# Allegro board RK_EVB1_RK3576_LP4XD200P132SD6_V12_20240530YWQ.brd (continued)
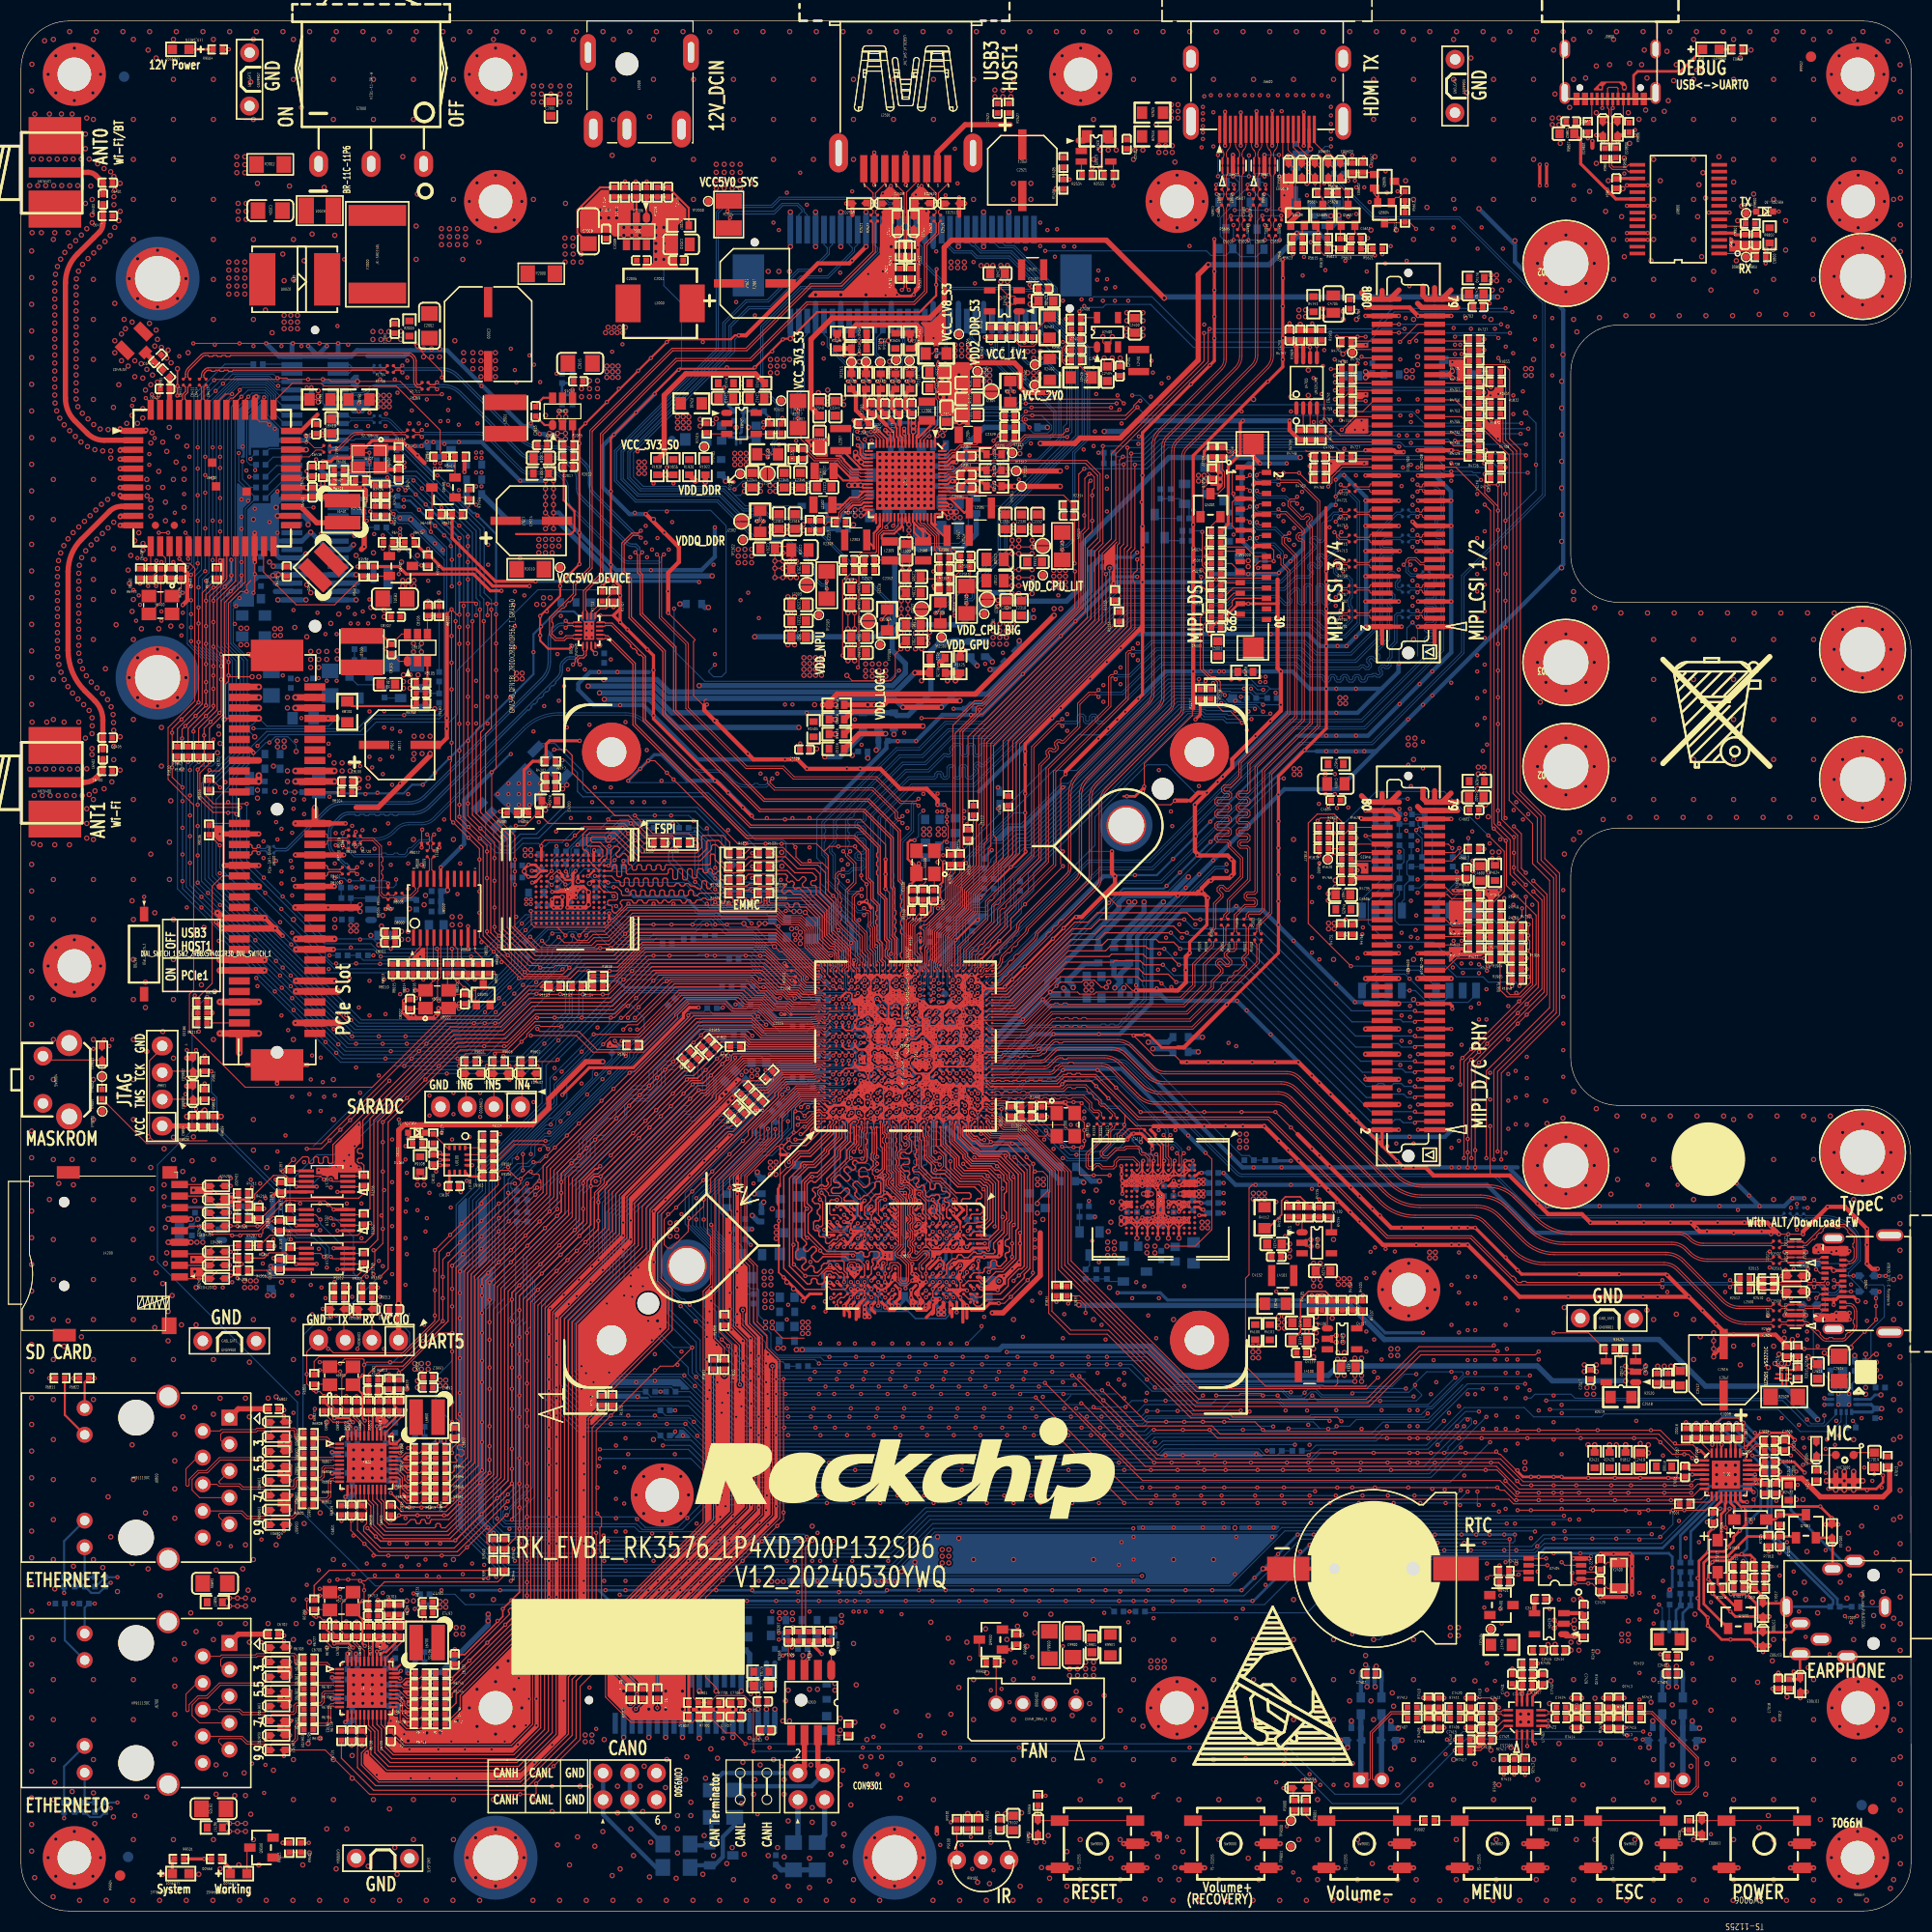
[diagram p0: board, top side]
## Routing (per net, layer and track width the routed paths; a pad name or vN(x,y) marks a point on that pad's centre or on a via; arc(x,y) is an arc through that point) (continued)
N31344597: length 3.4
  BOTTOM w0.254: R7401.2 129.33,29.14 C7403.1 128.92,28.63 U7400.3
N31344662: length 3.5
  BOTTOM w0.254: R7402.2 130.32,29.13 C7403.2 129.57,28.38 U7400.4
N31344668: length 1.9
  BOTTOM w0.406: U7400.5 FB7401.1
N31367008: length 3.4
  BOTTOM w0.254: U7401.3 157.62,28.63 C7410.1 158.03,29.14 R7403.2
N31367020: length 3.5
  BOTTOM w0.254: U7401.4 158.27,28.38 C7410.2 159.02,29.13 R7404.2
N31367085: length 2
  BOTTOM w0.406: U7401.8 156.32,20.36 FB7402.1
N31367111: length 2.1
  BOTTOM w0.102: C7408.2 156.97,29.14 U7401.2
N31367151: length 1.9
  BOTTOM w0.406: FB7403.1 U7401.5
N31432371: length 1.2
  TOP w0.406: R6407.2 34.77,139.36
N31479995: length 4.2
  TOP w0.102: R7407.1 133.36,18.78 133.65,18.78 R7408.1 134.48,18.78 134.62,18.78 C7416.1 135.45,18.78 135.69,18.78 R7406.2
N31480252: length 4.2
  TOP w0.102: R7412.1 133.36,18.98 133.65,18.98 R7410.2 134.48,18.98 134.62,18.98 C7420.2 135.45,18.98 135.69,18.98 R7411.2
N31480374: length 2.5
  TOP w0.102: U7402.2 142.95,14.73 R7413.2
N31480386: length 4.2
  TOP w0.102: R7414.2 150.55,18.77 150.79,18.77 C7426.1 151.62,18.77 151.77,18.77 R7416.1 152.6,18.77 152.89,18.77 R7415.1
N31480494: length 4.6
  TOP w0.102: R7417.2 139.01,15.29 C7427.1 141.35,17.63 U7402.16
N31480503: length 4.4
  TOP w0.102: R7418.2 138.51,16.84 139.52,16.84 C7428.1 140.37,17.34 141.16,18.13 U7402.15
N31480515: length 2.1
  TOP w0.229: C7432.1 144.95,21.41 143.95,20.41 U7402.9
N31480569: length 1.9
  TOP w0.229: U7402.12 142.45,21.21 C7431.1
N31480684: length 4.2
  TOP w0.102: R7421.1 152.89,18.98 152.6,18.98 R7419.2 151.77,18.98 151.62,18.98 C7430.2 150.79,18.98 150.55,18.98 R7420.2
N31701621: length 5.4
  TOP w0.102: CON4600.68 127.63,100.8 127.48,100.66 124.95,100.66 TP4600.1
N31701650: length 3
  TOP w0.102: TP4700.1 127.09,148.72 CON4700.68
N32472831: length 4.4
  BOTTOM w0.508: CON9301.3 76.54,7.23 R9307.1
N32472833: length 4.1
  BOTTOM w0.508: R9307.2 R9309.2 72.39,3.92 C9305.1
N32472886: length 4.3
  BOTTOM w0.508: R9309.1 74,6.94 CON9301.1
N33117735: length 4.1
  TOP w0.102: R9110.2 38.19,73.96 38.34,74.12 D9100.2 39.16,74.12 R9109.2 40.59,72.69 U9100.4
N33161409: length 3.8
  TOP w0.406: C4710.1 121.47,148.98 U4700.8 ; R4767.2 122.12,149.35 U4700.7
N33161501: length 2.2
  TOP w0.102: U4700.2 122.12,141.3 R4768.2
N33161928: length 6.6
  TOP w0.102: R5022.2 112.94,137.97 112.94,137.03 113.45,136.52 R5026.1 113.45,136.34 112.56,135.45 112.56,133.02 Q5001.1
N33164794: length 3.2
  TOP w0.102: R6411.2 42.71,133.79 R6416.1 42.58,134.62 Q6400.1
N33165565: length 2.6
  TOP w0.102: Q6401.1 35.07,130.01 R6417.1 R6412.2
N33187423: length 2.3
  TOP w0.254: LED9502.1 R9504.2
N34130663: length 2.5
  TOP w0.102: Q9900.3 91.27,24.31 R9900.1
N35260673: length 2.6
  TOP w0.102: R4116.1 R4115.2 122.01,65.8 U4102.1
N68738598: length 1.6
  TOP w0.102: R9310.1 78.75,16.75 U9300.8
N68738630: length 3.8
  TOP w0.102: R9306.2 C9308.1 77.17,25.52 U9300.1

## Copper pours and planes (outline as drawn; the poured copper is in the pictures)
GND on TOP (solid shape): 34.82,40.81 30.97,40.81 30.97,40.91 31.03,40.97 31.03,44.58 34.82,44.58
GND on TOP (solid shape): 34.82,19.34 30.97,19.34 30.97,19.45 31.03,19.5 31.03,23.12 34.82,23.12
GND on TOP (solid shape): 139.45,15.98 138.94,15.47 138.47,15.47 138.47,16.55 138.58,16.66 139.45,16.66
GND on TOP (solid shape): 137.46,145.69 136.77,145.69 136.77,146.84 136.52,147.09 135.99,147.09 135.99,147.74 137.46,147.74
GND on TOP (solid shape): 25.62,44.95 25.82,44.76 25.82,43.63 24.74,43.63 24.74,44.1 24.42,44.1 24.42,44.86 24.74,44.86 24.74,45.35 25.62,45.35
GND on TOP (solid shape): 25.62,23.49 25.82,23.29 25.82,22.17 24.74,22.17 24.74,22.64 24.42,22.64 24.42,23.4 24.74,23.4 24.74,23.89 25.62,23.89
GND on TOP (solid shape): 25.82,41.5 25.55,41.23 25.55,40.84 24.74,40.84 24.74,41.31 24.42,41.31 24.42,42.07 24.74,42.07 24.74,42.55 25.82,42.55
GND on TOP (solid shape): 25.82,20.03 25.55,19.77 25.55,19.37 24.74,19.37 24.74,19.85 24.42,19.85 24.42,20.61 24.74,20.61 24.74,21.09 25.82,21.09
GND on TOP (solid shape): 25.95,39.54 25.68,39.27 25.68,38.06 25.66,38.04 24.74,38.04 24.74,38.51 24.42,38.51 24.42,39.28 24.74,39.28 24.74,39.76 25.95,39.76
GND on TOP (solid shape): 25.95,18.07 25.68,17.8 25.68,16.6 25.66,16.58 24.74,16.58 24.74,17.05 24.42,17.05 24.42,17.81 24.74,17.81 24.74,18.3 25.95,18.3
GND on TOP (solid shape): 19.37,126.84 19.3,126.77 19.19,126.75 19.13,126.85 19.13,128.31 18.79,128.31 18.79,128.82 19.37,128.82
GND on TOP (solid shape): 135.99,96.17 136.05,96.26 136.16,96.24 136.17,96.23 137.26,96.23 137.46,96.04 137.46,93.96 136.4,93.96 135.99,94.37
GND on TOP (solid shape): 17.54,68.53 18.19,68.53 18.24,68.48 18.26,68.37 18.17,68.31 17.54,68.31 17.54,68.27 16.11,68.27 16.11,69 17.54,69
GND on TOP (solid shape): 17.54,62.26 18.22,62.26 18.32,62.2 18.29,62.08 18.24,62.03 17.54,62.03 17.54,61.67 16.11,61.67 16.11,62.4 17.54,62.4
GND on TOP (solid shape): 17.54,60.99 18.22,60.99 18.32,60.93 18.29,60.81 18.24,60.76 17.54,60.76 17.54,60.4 16.11,60.4 16.11,61.3 17.54,61.3
GND on TOP (solid shape): 19.22,101.9 19.18,101.82 19.08,101.81 18.98,101.84 18.87,101.83 18.84,101.83 18.4,102.28 18.4,103.4 19.22,103.4
GND on TOP (solid shape): 125.31,138 127.16,138 127.16,138.14 128.32,138.14 128.32,137.69 125.76,137.69 124.8,136.72 124.68,136.7 124.62,136.79 124.62,138.3 125.31,138.3
GND on TOP (solid shape): 128.32,140.71 126.16,140.71 126.07,140.77 126.08,140.87 126.13,141 126.13,141.13 126.13,141.16 127.1,142.14 128.32,142.14
GND on TOP (solid shape): 124.39,58.57 124.39,57.71 124.28,57.71 124.28,57.8 123.52,57.8 123.52,57.71 123.42,57.71 123.42,58.61 123.29,58.61 123.29,58.7 123.31,58.78 123.39,58.82 124.14,58.82
GND on TOP (solid shape): 77.05,139.64 76.86,139.64 76.86,138.5 75.75,138.5 75.08,139.17 75.08,139.63 74.68,140.03 74.66,140.14 74.75,140.2 76.58,140.2 76.59,140.22 76.69,140.22 76.69,140.32 76.96,140.58 77.05,140.58
GND on TOP (solid shape): 20.22,67.88 21.81,67.88 21.9,67.81 21.88,67.7 21.82,67.64 20.22,67.64 20.22,67.34 18.68,67.34 18.64,67.38 18.63,67.43 18.68,67.47 19.01,67.47 19.01,68.17 20.22,68.17
GND on TOP (solid shape): 68.18,77.55 65.77,75.13 65.77,75 58.24,67.48 58.24,63.63 51.22,56.6 51.22,25.4 49.31,23.49 49.31,17.52 46.85,15.06 35.53,15.06 34.9,15.69 34.9,16.56 35.43,16.56 36.41,15.59 46.78,15.59 48.92,17.72 48.92,23.61 49.13,23.82 49.19,23.82 50.84,25.47 50.84,26.11 50.82,26.11 50.82,56.95 57.9,64.03 57.9,67.94 67.84,77.89
GND on TOP (solid shape): 152.87,173.98 152.87,173.47 152.88,173.47 152.89,173.41 152.84,173.38 152.53,173.38 152.53,173.75 152.17,174.11 151.03,174.11 150.67,173.75 150.67,173.38 149.88,173.38 149.78,173.44 149.81,173.55 150.49,174.24 152.61,174.24
GND on TOP (solid shape): 171.87,63.32 174.03,63.32 174.03,63.23 174.06,63.07 174.15,62.94 174.15,62.54 174.03,62.43 173.88,62.43 173.51,62.43 172.51,62.43 172.38,62.56 172.36,62.56 172.36,62.6 171.25,62.6 171.25,62.56 170.73,62.56 170.6,62.68 170.6,63.19 170.95,63.54 171,63.54 171.03,63.57 171.62,63.57
GND on TOP (solid shape): 114.22,137.23 114.44,137.01 114.44,135.68 114.06,135.3 113.95,135.27 113.88,135.37 113.88,135.74 113.34,135.74 113.25,135.8 113.27,135.91 113.32,135.95 113.93,135.95 113.93,136.91 113.83,136.91 113.83,137.01 113.22,137.01 113.12,137.1 113.12,137.89 113.22,138 114.22,138
GND on TOP (solid shape): 128.32,98.79 127.67,98.79 127.59,98.84 127.59,98.94 127.59,99.3 127.27,99.47 127.19,99.5 127.16,99.58 127.16,99.83 128.32,99.83
GND on TOP (solid shape): 140.91,97.42 141.02,97.44 141.09,97.35 141.09,97.18 140.19,96.29 139.8,96.29 139.73,96.32 139.7,96.38 139.59,96.61 139.36,96.71 139.33,96.72 139.31,96.76 139.31,97.35 140.84,97.35
GND on TOP (solid shape): 67.95,19.47 68.05,19.47 68.05,19.37 68.17,19.37 68.25,19.33 68.26,19.24 68.25,19.17 68.25,19.1 68.22,19.02 68.14,18.99 68.05,18.99 68.05,18.89 67.95,18.89 67.95,18.26 66.98,18.26 66.96,18.28 66.96,18.99 65.1,18.99 65.1,18.69 64.98,18.69 64.98,18.99 63.88,18.99 63.88,19.37 64.98,19.37 64.98,19.67 65.1,19.67 65.1,19.37 66.96,19.37 66.96,20.08 66.98,20.1 67.95,20.1
GND on TOP (solid shape): 137.46,91.27 139.31,91.27 139.31,91.34 139.33,91.38 139.36,91.39 139.38,91.39 139.46,91.37 139.49,91.29 139.49,91.18 139.46,91.11 139.38,91.08 139.19,91.04 139.04,90.91 136.66,90.91 136.16,90.41 136.05,90.39 135.99,90.48 135.99,91.83 137.46,91.83
GND on TOP (solid shape): 162.69,159.35 162.75,159.44 162.86,159.42 163.15,159.13 163.81,159.13 163.81,159.07 164.57,159.07 164.57,159.13 164.87,159.13 164.87,159.07 165.57,159.07 165.57,158.1 165.59,158.09 165.6,158.03 165.55,158 164.78,158 164.71,157.94 164.63,157.96 164.36,158.07 164.08,158.03 164.07,158.03 162.69,158.03
GND on TOP (solid shape): 172.87,57.2 172.92,57.21 172.95,57.16 172.95,57.15 173.26,57.15 173.38,57.09 173.51,57.07 173.77,57.07 173.89,57.09 174,57.14 174.02,57.15 174.06,57.15 174.06,57.19 174.14,57.19 174.15,57.16 174.17,57.12 174.18,57.08 174.18,56.56 174.09,56.43 174.06,56.27 174.06,56.08 170.98,56.08 170.73,56.33 170.73,56.84 170.86,56.97 171.25,56.97 171.25,56.9 172.36,56.9 172.36,56.97 172.63,56.97
GND on TOP (solid shape): 139.39,142.71 139.48,142.7 139.52,142.62 139.52,142.1 139.64,142.1 139.64,142.05 140,141.71 140.35,142.05 140.35,142.1 140.96,142.1 140.96,139.93 140.9,139.84 140.79,139.86 139.31,141.33 139.31,142.7
GND on TOP (solid shape): 66.53,51.12 66.6,51.09 66.63,51.01 66.99,50.66 67.34,51.01 67.37,51.09 67.44,51.12 67.53,51.12 67.53,38.06 56.82,27.35 56.82,23.28 58.3,21.8 58.32,21.69 58.23,21.62 57.83,21.62 56.47,22.99 56.47,27.54 66.13,37.19 66.13,51.12
GND on TOP (solid shape): 80.44,96.3 80.5,96.21 80.5,96.16 81.09,95.57 81.09,95.47 80.94,95.32 80.8,95.46 80.75,95.46 80.75,95.51 80.43,95.94 79.92,95.78 79.88,95.74 79.8,95.83 79.8,96.12 79.84,96.2 79.93,96.22 80.14,96.21 80.34,96.29
GND on TOP (solid shape): 87.41,147.7 87.46,147.61 87.46,147.53 87.47,147.53 87.47,147.51 90.26,147.51 90.72,147.06 90.38,146.71 90.38,145.01 90.43,144.95 90.43,144.88 90.5,144.88 90.6,144.79 90.47,144.66 90.43,144.66 90.43,144.62 90.36,144.55 90.36,141.72 90.39,141.69 90.39,141.48 89.91,141.48 89.91,141.59 88.86,141.59 88.86,142.39 88.8,142.39 88.8,142.42 87.47,142.42 87.47,143.94 87.32,144.08 87.32,145.02 87.24,145.11 87.24,145.69 87.22,145.73 87.21,145.77 87.21,145.8 87.21,145.84 87.22,145.88 87.24,145.92 87.24,147.18 87.23,147.19 87.23,147.68 87.31,147.71
GND on TOP (solid shape): 87.93,152.57 88.04,152.59 88.1,152.5 88.1,149.76 87.47,149.13 87.46,149.13 87.46,149.1 87.41,149.01 87.31,149.01 87.16,149.04 87.01,149 86.91,149.01 86.86,149.09 86.86,149.13 86.01,149.13 85.96,149.16 85.97,149.22 86.02,149.27 86.02,150.85 85.72,151.15 85.69,151.27 85.79,151.33 86.69,151.33
GND on TOP (solid shape): 104.35,130.42 104.41,130.43 104.44,130.39 104.44,130.36 104.22,130.14 104.22,126.22 103.86,126.22 103.86,127.58 103.78,128.22 103.35,127.74 103.35,127.69 103.31,127.67 103.27,127.66 103.19,127.69 103.15,127.77 103.15,129.22
GND on TOP (solid shape): 121.05,165.79 121.09,165.83 121.14,165.82 121.21,165.76 121.21,163.1 121.02,163.1 121.02,161.79 121.06,161.79 121.15,161.73 121.13,161.62 120.71,161.2 120.39,161.2 120.38,161.23 120.36,161.27 120.34,161.31 120.32,161.64 120.03,161.81 119.96,161.84 119.93,161.91 119.93,165.17 120.25,165.49 120.34,165.52 120.41,165.45 121.05,165.45
GND on TOP (solid shape): 95.29,61.43 95.21,61.35 94.96,61.35 93.83,60.22 93.83,59.63 93.64,59.63 93.13,59.13 91.73,59.13 91.73,59.54 91.78,59.54 91.87,59.63 92.12,59.63 92.5,60.01 92.8,60.01 92.8,59.96 92.81,59.91 92.82,59.86 92.85,59.81 92.88,59.77 92.91,59.73 92.95,59.7 93,59.67 93.05,59.65 93.1,59.64 93.15,59.63 93.21,59.64 93.26,59.65 93.31,59.67 93.35,59.7 93.39,59.73 93.43,59.77 93.46,59.81 93.48,59.86 93.5,59.91 93.5,59.96 93.5,60.01 93.5,60.07 93.48,60.12 93.46,60.16 93.43,60.21 93.39,60.25 93.35,60.28 93.31,60.31 93.26,60.32 93.21,60.34 93.15,60.34 93.1,60.34 93.05,60.32 93,60.31 92.95,60.28 92.91,60.25 92.88,60.21 92.85,60.16 92.82,60.12 92.81,60.07 92.8,60.01 92.5,60.01 93.13,60.65 93.64,60.65 95.04,62.05 95.04,64.71 95.29,64.71
GND on TOP (solid shape): 32.2,75.21 32.31,75.24 32.37,75.14 32.37,73.1 32.3,73.1 31.79,72.59 31.79,71.32 32.3,70.81 32.47,70.81 32.47,70.46 32.18,70.46 32.18,70.17 32.06,70.17 32.06,70.34 30.2,70.34 30.2,69.66 29.86,69.66 29.85,69.71 29.62,70 29.25,69.91 29.18,69.88 29.1,69.91 28.95,70 28.78,70.01 28.76,70.01 28.6,70.16 28.11,70.16 28.11,70.81 29.5,70.81 29.89,71.19 29.89,71.23 29.89,72.91
GND on TOP (solid shape): 141.21,145.06 141.21,144.07 139.52,144.07 139.52,143.77 139.31,143.77 139.31,144.21 139.33,144.24 139.36,144.26 139.69,144.51 139.54,144.9 139.52,144.94 139.54,144.98 139.58,145.01 139.63,145.03 139.66,144.99 140.05,144.76 140.35,145.1 140.35,145.15 141.12,145.15
GND on TOP (solid shape): 68.19,79.43 68.27,79.46 68.35,79.42 68.42,79.34 68.52,79.29 68.59,79.22 68.56,79.12 57.53,68.09 57.53,64.18 50.45,57.11 50.45,26.11 50.08,26.11 49.82,25.84 49.81,25.84 49.54,25.57 49.54,25.57 49.17,25.2 49.16,25.2 48.89,24.93 48.89,24.92 48.68,24.71 48.68,24.07 48.77,23.98 48.55,23.76 48.55,17.87 46.63,15.95 36.57,15.95 35.7,16.82 35.7,17.62 35.01,17.62 34.88,17.75 34.88,18.02 35.02,18.02 35.02,19.11 35.22,19.11 35.22,19.05 35.38,18.9 35.38,18.87 35.5,18.6 35.8,18.52 35.88,18.5 35.92,18.42 35.92,17.91 36.64,17.18 38.08,17.18 38.22,17.32 40.87,17.32 40.87,18.02 42.01,19.16 42.01,20.44 50.1,28.54 50.1,57.33 57.18,64.41 57.18,68.09 66.39,77.31 66.39,77.63
GND on TOP (solid shape): 56.03,162.77 58.38,162.77 58.38,161.97 58.06,161.97 58.06,160.56 59.17,160.56 59.23,160.63 59.31,160.62 59.85,160.65 60.12,161.12 60.12,161.42 60.03,161.72 59.79,161.92 59.79,162.77 62.12,162.77 62.12,163.1 62.18,163.2 62.29,163.17 63.37,162.1 63.37,161.18 63.2,161.18 63.16,161.14 63.07,161.14 63.07,161.05 62.58,160.56 62.58,157.58 62.49,157.58 62.49,156.82 62.58,156.82 62.58,156.42 59.17,156.42 59.17,156.71 59.94,156.71 59.95,156.72 60.02,156.72 60.02,156.8 60.19,156.96 60.19,159.41 59.79,159.41 59.73,159.39 59.7,159.38 59.66,159.39 59.6,159.41 59.02,159.41 59.02,159.4 58.99,159.37 58.96,159.37 58.84,159.41 58.13,159.41 58.13,159.4 58.07,159.37 57.97,159.47 56.45,159.47 56.19,159.73 56.19,159.74 56.18,159.74 56.13,159.79 56.09,159.79 56.09,159.84 55.33,159.84 55.33,159.79 53.37,159.79 53.23,159.93 53.23,161.9 55.25,163.92 56.03,163.92
GND on TOP (solid shape): 93.51,63.83 93.51,62.43 93.26,62.17 92.87,62.17 92.86,62.19 92.43,62.19 92.41,62.17 91.61,62.17 91.57,62.14 91.5,62.11 91.43,62.14 91.04,62.23 90.81,61.91 90.78,61.83 90.71,61.81 90.46,61.73 90.33,61.51 90.3,61.5 90.25,61.48 89.8,61.48 89.79,61.53 89.44,61.85 89.09,61.52 89.02,61.51 88.95,61.48 88.63,61.48 88.54,61.54 88.56,61.65 88.82,61.91 89.1,61.91 89.24,62.05 89.72,62.05 89.74,62.03 90.27,62.03 90.29,62.05 90.46,62.05 90.85,62.43 90.95,62.43 90.96,62.42 91.51,62.42 91.52,62.43 91.84,62.43 91.85,62.42 92.69,62.42 92.71,62.43 92.88,62.43 93,62.56 93,63.7 93.25,63.95 93.39,63.95
GND on TOP (solid shape): 67.72,74.06 67.74,74.05 67.77,74.05 67.79,74.03 67.81,74.01 67.82,73.98 67.82,73.95 67.82,73.92 67.8,73.89 67.79,73.88 60.44,66.52 60.44,59.94 61.49,58.88 61.49,55.51 55.52,49.54 54.83,49.54 54.83,47.95 53.85,46.97 53.85,24.26 51.95,22.35 51.95,16.93 47.49,12.47 34.13,12.47 32.61,13.99 32.61,14.98 32.96,15.33 32.97,15.34 32.99,15.35 33.02,15.36 33.05,15.36 33.08,15.34 33.1,15.32 33.12,15.3 33.13,15.27 33.13,15.26 33.13,14.85 34.76,13.22 47.61,13.22 51.15,16.76 51.15,22.73 53.06,24.63 53.06,55.84 55.09,57.87 58.53,57.87 58.53,57.77 58.54,57.67 58.56,57.57 58.59,57.48 58.63,57.39 58.67,57.3 58.72,57.21 58.78,57.13 58.84,57.05 58.91,56.98 58.98,56.92 59.06,56.86 59.15,56.81 59.24,56.76 59.33,56.72 59.42,56.69 59.52,56.67 59.62,56.66 59.72,56.65 59.82,56.65 59.91,56.66 60.01,56.68 60.11,56.71 60.2,56.74 60.29,56.78 60.38,56.83 60.46,56.89 60.54,56.95 60.61,57.02 60.68,57.09 60.74,57.17 60.79,57.25 60.84,57.34 60.88,57.43 60.91,57.52 60.93,57.62 60.95,57.72 60.96,57.82 60.96,57.92 60.95,58.02 60.93,58.11 60.91,58.21 60.88,58.3 60.84,58.39 60.79,58.48 60.74,58.57 60.68,58.64 60.61,58.72 60.54,58.79 60.46,58.85 60.38,58.9 60.29,58.95 60.2,58.99 60.11,59.03 60.01,59.05 59.91,59.07 59.82,59.08 59.72,59.08 59.62,59.08 59.52,59.06 59.42,59.04 59.33,59.01 59.24,58.97 59.15,58.93 59.06,58.88 58.98,58.82 58.91,58.75 58.84,58.68 58.78,58.61 58.72,58.52 58.67,58.44 58.63,58.35 58.59,58.26 58.56,58.16 58.54,58.06 58.53,57.97 58.53,57.87 55.09,57.87 60.09,62.87 60.09,66.71 67.43,74.06
GND on TOP (solid shape): 82.83,164.32 83.68,163.47 83.68,161.12 83.16,161.12 83.16,160.7 83.15,160.69 82.95,160.69 82.95,159.65 83.68,159.65 83.68,159.41 83.52,159.25 83.52,159.24 83.31,159.03 83.24,159.03 83.24,158.96 83.23,158.95 83.23,154.63 83.44,154.42 83.44,154.4 83.57,154.07 83.9,153.93 84.56,153.93 84.91,154.1 85.01,154.48 85,154.5 85.26,154.76 85.26,159.08 84.88,159.46 84.77,159.46 84.77,159.65 85.54,159.65 85.54,160.69 85.33,160.69 85.33,161.12 84.77,161.12 84.77,163.51 85.69,164.43 85.83,164.43 85.83,164.31 86.72,163.42 86.72,163.15 85.92,163.15 85.92,162.94 85.48,162.94 85.48,162.31 85.91,162.31 85.92,162.3 85.92,162.1 86.37,162.1 86.65,161.82 86.62,161.79 86.51,161.51 86.61,161.23 86.51,160.93 86.64,160.65 86.73,160.55 86.73,160.02 85.62,158.9 85.62,154.46 84.82,153.67 75.06,153.67 74.96,153.73 74.98,153.84 75.47,154.32 78.33,154.32 81.8,157.8 81.8,160.56 81.89,160.65 82.01,160.93 81.92,161.23 82.01,161.5 81.93,161.77 81.9,161.8 82.2,162.11 82.61,162.11 82.61,162.31 83.04,162.31 83.04,162.94 82.62,162.94 82.61,162.95 82.61,163.15 81.81,163.15 81.81,163.42 82.7,164.31 82.7,164.43 82.83,164.43
GND on TOP (solid shape): 68.22,70.09 68.23,70.1 68.25,70.12 68.28,70.12 68.31,70.12 68.34,70.11 68.36,70.09 68.38,70.07 68.39,70.04 68.39,70.02 68.39,62.15 69.2,61.34 69.2,55.88 70.43,54.65 70.43,37.82 59.08,26.47 59.03,26.48 58.98,26.48 58.92,26.48 58.87,26.46 58.82,26.44 58.78,26.41 58.74,26.38 58.71,26.34 58.68,26.29 58.66,26.25 58.64,26.19 58.64,26.14 58.64,26.09 58.65,26.04 58.67,25.99 58.69,25.94 58.72,25.9 58.76,25.86 58.8,25.83 58.85,25.81 58.9,25.79 58.95,25.78 59,25.78 59.06,25.78 59.11,25.8 59.15,25.82 59.2,25.84 59.24,25.88 59.27,25.92 59.3,25.96 59.32,26.01 59.34,26.06 59.34,26.11 59.34,26.17 59.33,26.22 70.79,37.67 70.79,53.42 70.79,53.43 70.8,53.46 70.81,53.48 70.83,53.5 70.86,53.52 70.89,53.52 70.92,53.51 70.95,53.5 70.96,53.49 72.09,52.36 72.09,37.49 63.87,29.27 63.87,27.67 63.86,27.63 63.85,27.6 63.83,27.59 63.8,27.57 63.77,27.57 63.71,27.59 63.65,27.6 63.6,27.6 63.54,27.6 63.49,27.59 63.44,27.57 63.4,27.54 63.35,27.5 63.32,27.46 63.29,27.42 63.27,27.37 63.25,27.32 63.25,27.26 63.25,27.21 63.26,27.15 63.28,27.1 63.3,27.06 63.32,27.03 63.32,20.33 63.12,20.33 63.12,19.37 63.32,19.37 63.32,18.99 63.12,18.99 63.12,18.16 58.14,18.16 55.84,20.45 55.84,27.65 65.14,36.95 65.14,58.94 65.73,59.53 65.74,59.54 65.77,59.55 65.8,59.56 65.83,59.56 65.85,59.55 65.88,59.53 65.89,59.5 65.9,59.47 65.9,59.46 65.9,54.51 66.81,53.61 66.81,52.97 65.47,52.97 65.47,51.12 65.77,51.12 65.77,37.34 56.11,27.68 56.11,22.84 57.58,21.37 57.58,19.77 57.7,19.77 57.71,19.69 57.72,19.64 57.73,19.59 57.76,19.54 57.79,19.5 57.83,19.46 57.87,19.43 57.92,19.41 57.97,19.39 58.02,19.38 58.08,19.38 58.12,19.39 58.15,19.38 58.17,19.37 58.2,19.34 58.21,19.32 58.22,19.29 58.21,19.25 58.22,19.19 58.23,19.14 58.24,19.09 58.27,19.05 58.3,19 58.34,18.97 58.38,18.94 58.43,18.91 58.48,18.9 58.53,18.89 58.58,18.88 58.63,18.89 58.68,18.9 58.73,18.92 58.78,18.95 58.82,18.99 58.85,19.03 58.88,19.07 58.9,19.12 58.91,19.17 58.92,19.22 58.92,19.27 58.91,19.33 59.35,19.77 59.68,19.77 59.68,21.62 60.12,21.62 60.12,19.77 60.42,19.77 60.42,19.66 60.4,19.64 60.36,19.61 60.32,19.57 60.29,19.53 60.27,19.48 60.25,19.43 60.24,19.38 60.25,19.33 60.25,19.27 60.27,19.22 60.29,19.18 60.32,19.13 60.36,19.09 60.4,19.06 60.44,19.03 60.49,19.02 60.54,19 60.6,19 60.65,19 60.7,19.02 60.75,19.03 60.8,19.06 60.84,19.09 60.87,19.13 60.9,19.18 60.93,19.22 60.94,19.27 60.95,19.33 60.95,19.38 60.94,19.43 60.93,19.48 60.9,19.53 60.87,19.57 60.84,19.61 60.8,19.64 60.77,19.66 60.77,19.77 61.08,19.77 61.08,21.62 60.77,21.62 60.77,26.67 71.74,37.63 71.74,51.58 71.76,51.6 71.8,51.63 71.84,51.67 71.87,51.71 71.89,51.76 71.91,51.81 71.91,51.86 71.91,51.91 71.91,51.97 71.89,52.02 71.87,52.06 71.84,52.11 71.8,52.15 71.76,52.18 71.71,52.21 71.67,52.22 71.61,52.24 71.56,52.24 71.51,52.24 71.46,52.22 71.41,52.21 71.36,52.18 71.32,52.15 71.29,52.11 71.26,52.06 71.23,52.02 71.22,51.97 71.21,51.91 71.21,51.86 71.22,51.81 71.23,51.76 71.26,51.71 71.28,51.67 71.32,51.63 71.36,51.6 71.38,51.58 71.38,37.78 60.42,26.81 60.42,21.62 58.97,21.62 57.17,23.43 57.17,26.27 57.62,26.27 57.62,26.22 57.63,26.17 57.65,26.12 57.68,26.07 57.71,26.03 57.74,25.99 57.79,25.96 57.83,25.94 57.88,25.92 57.93,25.91 57.99,25.91 58.04,25.91 58.09,25.93 58.14,25.95 58.18,25.97 58.22,26.01 58.26,26.05 58.29,26.09 58.31,26.14 58.32,26.19 58.33,26.24 58.32,26.3 58.32,26.35 70.08,38.11 70.08,54.7 68.93,55.86 68.93,56.92 68.95,56.93 68.99,56.96 69.02,57 69.05,57.05 69.08,57.09 69.09,57.14 69.1,57.2 69.1,57.25 69.09,57.3 69.08,57.35 69.05,57.4 69.02,57.44 68.99,57.48 68.95,57.51 68.9,57.54 68.85,57.56 68.8,57.57 68.75,57.57 68.7,57.57 68.64,57.56 68.59,57.54 68.55,57.51 68.51,57.48 68.47,57.44 68.44,57.4 68.42,57.35 68.4,57.3 68.4,57.25 68.4,57.2 68.4,57.14 68.42,57.09 68.44,57.05 68.47,57 68.51,56.96 68.55,56.93 68.57,56.92 68.57,55.71 69.73,54.56 69.73,38.26 58.06,26.6 58.01,26.61 57.96,26.61 57.91,26.61 57.86,26.59 57.81,26.57 57.76,26.54 57.72,26.51 57.69,26.47 57.66,26.42 57.64,26.38 57.63,26.32 57.62,26.27 57.17,26.27 57.17,27.2 67.89,37.92 67.89,53.92 67.89,53.93 67.9,53.96 67.92,53.98 67.94,54 67.97,54.02 68,54.02 68.03,54.01 68.05,54 68.06,53.99 68.24,53.81 68.24,50.41 68.22,50.39 68.18,50.35 68.16,50.31 68.13,50.26 68.12,50.21 68.11,50.15 68.11,50.1 68.12,50.05 68.14,50 68.17,49.95 68.2,49.91 68.23,49.87 68.28,49.84 68.32,49.81 68.37,49.8 68.43,49.79 68.48,49.79 68.53,49.79 68.58,49.81 68.63,49.83 68.68,49.86 68.72,49.89 68.75,49.93 68.78,49.98 68.8,50.02 68.81,50.08 68.82,50.13 68.82,50.18 68.8,50.23 68.79,50.28 68.76,50.33 68.73,50.37 68.69,50.41 68.65,50.44 68.6,50.47 68.6,53.96 67.42,55.13 67.4,55.17 67.39,55.19 67.39,55.22 67.4,55.25 67.41,55.27 67.43,55.29 67.47,55.3 67.47,57.16 67.04,57.16 67.04,65.94 67.04,65.95 67.05,65.98 67.07,66 67.09,66.02 67.12,66.04 67.15,66.04 67.19,66.03 67.24,66.03 67.3,66.04 67.35,66.05 67.4,66.07 67.44,66.1 67.48,66.14 67.53,66.18 67.56,66.19 67.59,66.19 67.61,66.19 67.64,66.18 67.66,66.16 67.67,66.13 67.68,66.09 67.68,55.6 68.94,54.34 68.94,38.48 58.7,28.23 58.65,28.24 58.6,28.25 58.54,28.24 58.49,28.23 58.44,28.2 58.4,28.18 58.36,28.14 58.33,28.1 58.3,28.06 58.28,28.01 58.26,27.96 58.26,27.91 58.26,27.85 58.27,27.8 58.29,27.75 58.31,27.7 58.34,27.66 58.38,27.62 58.42,27.59 58.47,27.57 58.52,27.55 58.57,27.54 58.62,27.54 58.68,27.55 58.73,27.56 58.77,27.58 58.82,27.61 58.86,27.64 58.89,27.68 58.92,27.73 58.94,27.77 58.96,27.83 58.96,27.88 58.96,27.93 58.95,27.98 69.3,38.33 69.3,54.49 68.04,55.75 68.04,69.91
GND on BOTTOM (solid shape): 33.41,137.54 32.88,137.54 32.57,137.86 31.41,137.86 31.41,138.29 33.41,138.29
GND on BOTTOM (solid shape): 32.17,145.02 31.73,145.02 31.44,145.31 31.41,145.31 31.41,145.32 31.39,145.32 31.39,146.01 31.41,146.01 31.72,146.32 32.17,146.32
GND on BOTTOM (solid shape): 33.44,143.84 33.44,143.45 32.6,142.61 31.59,142.61 31.41,142.79 31.41,142.92 31.39,142.92 31.39,143.61 31.41,143.61 31.41,143.63 31.44,143.63 31.74,143.92 32.31,143.92 32.66,143.96 33,144.08 33.01,144.09 33.19,144.09
GND on BOTTOM (solid shape): 44.22,68.12 44.33,68.15 44.39,68.05 44.39,61.94 43.71,61.27 43.6,61.25 43.54,61.34 43.54,67.45
GND on BOTTOM (solid shape): 47.47,55.78 47.58,55.8 47.65,55.7 47.65,40.57 47.47,40.39 47.36,40.37 47.3,40.47 47.3,55.6
GND on BOTTOM (solid shape): 57.37,66.16 57.48,66.18 57.54,66.09 57.54,62.38 57.34,62.18 57.23,62.15 57.17,62.25 57.17,65.96
GND on BOTTOM (solid shape): 19.85,128.84 19.92,128.94 20.03,128.91 20.2,128.74 20.2,126.68 19.39,125.86 19.28,125.84 19.22,125.94 19.22,126.23 19.85,126.86
GND on BOTTOM (solid shape): 42.31,67.87 42.42,67.89 42.48,67.8 42.48,61.56 42.13,61.2 42.13,36.29 42.06,36.2 41.95,36.22 41.62,36.55 41.62,67.18
GND on BOTTOM (solid shape): 65.48,101.7 65.48,99.23 67.41,97.3 75.95,97.3 79.36,93.88 79.36,91.53 79.3,91.44 79.19,91.46 78.88,91.76 78.88,93.95 75.89,96.95 67.26,96.95 65.12,99.08 65.12,101.87 64.29,102.71 64.05,102.71 64.05,102.98 64.21,102.98
GND on BOTTOM (solid shape): 20.56,135.88 20.63,135.98 20.74,135.96 21.91,134.79 21.91,134.33 21.17,133.6 21.17,126.15 21,125.98 20.89,125.95 20.82,126.05 20.82,129.14 20.56,129.4
GND on BOTTOM (solid shape): 52.24,50.88 52.3,50.98 52.41,50.95 54.08,49.28 59.02,49.28 59.02,48.98 59.72,48.98 59.77,48.94 59.79,48.83 59.7,48.76 54.09,48.76 52.24,50.61
GND on BOTTOM (solid shape): 63.61,49.81 63.64,49.7 63.54,49.64 62.82,49.64 62.82,49.94 62.11,49.94 61.99,50.07 54.31,50.07 53.86,50.52 53.84,50.63 53.93,50.69 62.74,50.69
GND on BOTTOM (solid shape): 99.48,107.21 99.58,107.15 99.55,107.04 95.64,103.12 94.58,103.12 93.34,101.88 92.69,101.88 92.6,101.94 92.62,102.05 93.9,103.33 95.3,103.33 99.17,107.21
GND on BOTTOM (solid shape): 91.28,96.94 91.28,96.9 91.8,96.9 91.9,96.84 91.88,96.73 91.15,96.01 90.52,96.01 89.18,94.67 89.18,92.38 87.06,90.26 86.95,90.24 86.88,90.33 86.88,90.58 88.99,92.69 88.99,94.74 91.21,96.96
GND on BOTTOM (solid shape): 62.2,103.7 62.2,103.08 62.13,102.99 62.02,103.01 61.69,103.34 61.64,103.34 61.64,103.64 59.78,103.64 59.78,103.34 57.79,103.34 56.43,101.98 54.34,101.98 53.73,101.38 52.83,101.38 52.74,101.44 52.76,101.55 53.52,102.31 55.68,102.31 57.14,103.77 62.13,103.77
GND on BOTTOM (solid shape): 23.09,143.81 23.15,143.81 23.21,143.81 23.29,143.79 23.33,143.71 23.33,142.4 24.58,141.15 24.58,139.44 23.6,139.44 23.51,139.36 21.91,139.36 21.91,138.7 21.89,138.66 21.86,138.65 21.8,138.64 21.72,138.66 21.68,138.74 21.68,142.44 23.06,143.82
GND on BOTTOM (solid shape): 44.79,61.33 44.9,61.35 44.96,61.26 44.96,58.2 44.08,57.31 44.08,37.19 45.4,35.87 45.42,35.78 45.37,35.71 45.29,35.66 45.23,35.59 45.15,35.55 45.07,35.58 43.5,37.15 43.5,60.04
GND on BOTTOM (solid shape): 38.68,131.44 38.68,131.41 38.78,131.1 39.09,131 39.12,131.01 40.38,129.75 40.38,129.14 40.31,129.05 40.2,129.07 36.94,132.33 35.99,132.33 35.7,132.62 35.67,132.7 35.7,132.77 35.78,132.85 35.82,132.95 35.83,132.99 37.14,132.99
GND on BOTTOM (solid shape): 115.16,115.89 115.75,115.89 115.83,115.84 115.85,115.75 115.89,115.44 116.16,115.29 116.23,115.26 116.26,115.19 116.26,115.06 115.03,115.06 114.77,115.32 114.74,115.41 114.8,115.48 114.97,115.66 114.98,115.91 114.98,115.91 114.98,115.97 115.07,115.97
GND on BOTTOM (solid shape): 24.4,135.43 24.51,135.45 24.58,135.36 24.58,128.85 24.51,128.75 24.4,128.78 23.62,129.56 22.56,129.56 22.46,129.45 22.37,129.45 22.37,129.37 22.36,129.36 22.28,129.36 22.28,128.6 22.32,128.6 22.32,128.21 22.28,128.21 22.28,127.45 22.36,127.45 22.37,127.44 22.37,127.36 22.46,127.36 22.56,127.25 23.75,127.25 24.13,127.63 24.58,127.63 24.58,126.89 22.69,126.89 22.46,126.66 22.37,126.66 22.37,126.58 22.36,126.56 22.28,126.56 22.28,126.48 22.19,126.39 22.19,124.23 22.18,124.23 20.28,124.23 20.24,124.19 20.19,124.18 20.16,124.23 20.16,124.63 21.53,126.01 21.53,133.46 22.16,134.08 23.76,134.08 23.76,134.79
GND on BOTTOM (solid shape): 22.72,144.39 22.8,144.35 22.81,144.26 22.8,144.18 22.81,144.09 22.81,144.07 21.33,142.58 21.33,138.49 21.28,138.41 21.19,138.39 21.12,138.41 21.04,138.4 20.95,138.43 20.92,138.5 20.92,138.55 20.94,138.56 21.07,138.99 20.68,139.2 20.6,139.23 20.56,139.3 20.56,142.88 21.56,143.87 21.59,143.87 21.9,143.97 22,144.28 22,144.31 22.08,144.39
GND on BOTTOM (solid shape): 119.59,35.91 119.6,35.91 119.63,35.9 119.66,35.89 119.67,35.86 119.69,35.84 119.69,35.81 119.68,35.78 119.67,35.75 119.66,35.74 115.06,31.14 73.09,31.14 73.05,31.15 73.02,31.16 73,31.18 72.99,31.2 72.98,31.23 73,31.29 73,31.35 73,31.4 73,31.45 72.98,31.51 72.96,31.56 72.94,31.59 72.94,31.62 72.94,31.65 72.95,31.68 72.97,31.7 72.99,31.72 73.02,31.73 73.04,31.73 106.46,31.73 106.48,31.71 106.51,31.67 106.55,31.63 106.59,31.6 106.64,31.58 106.69,31.56 106.74,31.56 106.79,31.56 106.85,31.57 106.9,31.58 106.94,31.6 106.99,31.63 107.02,31.67 107.06,31.71 107.08,31.76 107.1,31.81 107.11,31.86 107.12,31.91 107.11,31.96 107.1,32.01 107.08,32.06 107.06,32.11 107.02,32.15 106.99,32.18 106.94,32.21 106.9,32.24 106.85,32.25 106.79,32.26 106.74,32.26 106.69,32.25 106.64,32.24 106.59,32.22 106.55,32.19 106.51,32.15 106.48,32.11 106.46,32.09 83.52,32.09 83.51,32.09 83.48,32.1 83.45,32.11 83.43,32.14 83.42,32.16 83.42,32.19 83.43,32.22 83.44,32.25 83.45,32.26 84.97,33.78 87.33,33.78 87.33,33.73 87.34,33.67 87.36,33.62 87.39,33.57 87.42,33.52 87.46,33.48 87.46,33.46 87.42,33.41 87.39,33.36 87.36,33.31 87.34,33.26 87.33,33.2 87.33,33.15 87.33,33.09 87.34,33.04 87.37,32.98 87.39,32.93 87.43,32.89 87.47,32.85 87.51,32.81 87.56,32.78 87.62,32.76 87.67,32.75 87.73,32.75 87.79,32.75 87.84,32.76 87.9,32.78 87.95,32.81 87.99,32.84 88.04,32.88 88.06,32.88 88.11,32.84 88.15,32.81 88.2,32.78 88.26,32.76 88.31,32.75 88.37,32.75 88.43,32.75 88.48,32.76 88.53,32.78 88.58,32.81 88.63,32.85 88.67,32.89 88.71,32.93 88.73,32.98 88.75,33.04 88.76,33.09 88.77,33.15 88.77,33.2 88.75,33.26 88.73,33.31 88.71,33.36 88.67,33.41 88.64,33.46 88.64,33.48 88.67,33.52 88.71,33.57 88.73,33.62 88.75,33.67 88.77,33.73 88.77,33.78 88.77,33.84 88.75,33.9 88.73,33.95 88.71,34 88.67,34.05 88.64,34.09 88.64,34.11 88.67,34.16 88.71,34.2 88.73,34.26 88.75,34.31 88.77,34.36 88.77,34.42 88.76,34.48 88.75,34.53 88.73,34.59 88.71,34.64 88.67,34.68 88.63,34.72 88.58,34.76 88.53,34.79 88.48,34.81 88.43,34.82 88.37,34.82 88.31,34.82 88.26,34.81 88.2,34.79 88.15,34.76 88.11,34.73 88.06,34.69 88.04,34.69 87.99,34.73 87.95,34.76 87.9,34.79 87.84,34.81 87.79,34.82 87.73,34.82 87.67,34.82 87.62,34.81 87.56,34.79 87.51,34.76 87.47,34.72 87.43,34.68 87.39,34.64 87.37,34.59 87.34,34.53 87.33,34.48 87.33,34.42 87.33,34.36 87.34,34.31 87.36,34.26 87.39,34.2 87.42,34.16 87.46,34.11 87.46,34.09 87.42,34.05 87.39,34 87.36,33.95 87.34,33.9 87.33,33.84 87.33,33.78 84.97,33.78 87.1,35.91
GND on L2-GND, L5-GND: 0.51,175.43 1.7,178.3 4.57,179.49 175.43,179.49 178.3,178.3 179.49,175.43 179.49,155.62 178.3,152.75 175.43,151.56 152.16,151.56 148.57,150.07 147.08,146.48 147.08,129.21 148.57,125.61 152.16,124.13 173.9,124.13 173.9,124.13 175.43,124.13 178.3,122.94 179.49,120.06 179.49,107.71 178.3,104.84 175.43,103.65 152.16,103.65 148.57,102.16 147.08,98.57 147.08,81.3 148.57,77.7 152.16,76.22 175.39,76.22 178.27,75.02 179.46,72.15 179.45,68.49 179.49,4.57 178.3,1.7 175.43,0.51 4.57,0.51 1.7,1.7 0.51,4.57
GND on L3-POWER: 0.51,175.43 1.7,178.3 4.57,179.49 175.43,179.49 178.3,178.3 179.49,175.43 179.49,155.62 178.3,152.75 175.43,151.56 152.16,151.56 148.57,150.07 147.08,146.48 147.08,129.21 148.57,125.61 152.16,124.13 173.9,124.13 173.9,124.13 175.43,124.13 178.3,122.94 179.49,120.06 179.49,107.71 178.3,104.84 175.43,103.65 152.16,103.65 148.57,102.16 147.08,98.57 147.08,81.3 148.57,77.7 152.16,76.22 175.39,76.22 178.27,75.02 179.46,72.15 179.45,68.49 179.49,4.57 178.3,1.7 175.43,0.51 4.57,0.51 1.7,1.7 0.51,4.57 ; 6 cut-outs
GND on L4-SIG: 0.51,175.43 1.7,178.3 4.57,179.49 175.43,179.49 178.3,178.3 179.49,175.43 179.49,155.62 178.3,152.75 175.43,151.56 152.16,151.56 148.57,150.07 147.08,146.48 147.08,129.21 148.57,125.61 152.16,124.13 173.9,124.13 173.9,124.13 175.43,124.13 178.3,122.94 179.49,120.06 179.49,107.71 178.3,104.84 175.43,103.65 152.16,103.65 148.57,102.16 147.08,98.57 147.08,81.3 148.57,77.7 152.16,76.22 175.39,76.22 178.27,75.02 179.46,72.15 179.45,68.49 179.49,4.57 178.3,1.7 175.43,0.51 4.57,0.51 1.7,1.7 0.51,4.57 ; 16 cut-outs
VBUS on TOP: 152.82,48.2 152.82,50.11 153.33,50.62 155.43,50.62 157.24,50.62 158.79,50.62 159.55,51.38 167.43,51.38 167.43,50.36 167.81,50.36 167.81,47.95 167.36,47.51 153.52,47.51
VBUS5V0_TYPEC on TOP: 168.06,50.36 168.44,50.36 168.44,51.13 168.57,51.25 176.06,51.25 177.46,49.86 177.46,48.97 176.19,47.7 168.32,47.7 168.06,47.95
VBUS5V0_TYPEC on BOTTOM: 176.95,49.47 177.33,49.47 177.46,49.35 177.46,49.09 176.95,48.59 175.17,48.59 175.17,48.97 175.3,48.97 175.43,49.09 175.43,50.62 175.55,50.74 176.32,50.74 176.95,50.11
VBUS5V0_TYPEC on L3-POWER: 177.14,48.78 177.59,49.22 177.59,53.67 176.32,54.94 176.32,55.32 176.95,55.95 177.33,55.95 177.59,56.21 177.59,59.25 175.94,60.9 173.01,60.9 172.63,61.29 172.38,61.29 172.13,61.03 171.36,61.03 171.11,60.78 171.11,58.11 170.67,57.67 170.67,50.93 172.82,48.78
VCC1V2_UFS_VCCQ_S0 on TOP: 117.13,68.52 117.39,68.78 118.91,68.78 119.17,68.52 119.17,66.62 119.04,66.49 117.26,66.49 117.13,66.62
VCC1V2_UFS_VCCQ_S0 on BOTTOM: 109.51,68.78 109.51,69.54 110.02,70.05 111.93,70.05 112.05,69.92 112.67,69.92 112.68,69.9 112.76,69.83 112.85,69.81 113.31,69.81 113.45,69.67 113.45,69.03 113.4,68.98 110.45,68.98 110.24,68.78
VCC1V2_UFS_VCCQ_S0 on L3-POWER: 112.05,71.19 110.78,69.92 109.64,69.92 109.51,69.79 109.51,69.41 110.02,68.91 113.2,68.91 113.58,68.52 113.58,67.25 113.96,66.87 118.66,66.87 118.79,67 118.79,68.78 116.37,71.19
VCC1V2_UFS_VCCQ_S0_P on TOP: 119.42,61.79 119.55,61.67 119.55,59.51 119.42,59.38 117.52,59.38 117.26,59.63 117.26,65.48 117.39,65.6 119.17,65.6 119.42,65.35
VCC1V8_EMMC_S0 on BOTTOM: 47.41,98.12 47.41,99.89 47.54,100.02 49.57,100.02 49.82,99.77 49.82,98.5 49.7,98.37 48.68,98.37 48.43,98.12
VCC1V8_EMMC_S0 on BOTTOM: 55.16,97.48 55.16,97.73 54.65,98.24 54.02,98.24 53.89,98.12 53.89,97.23 54.9,97.23
VCC1V8_EMMC_S0 on L4-SIG: 50.46,99.89 48.17,99.89 47.54,99.26 47.54,98.12 48.43,97.23 48.94,97.23 50.33,95.83 51.73,95.83 51.98,96.08 54.14,96.08 55.29,97.23 55.29,98.75 54.52,99.51 50.84,99.51
VCC1V8_FSPI_S0 on TOP: 50.71,108.4 51.35,108.4 52.36,107.39 52.36,105.99 51.6,105.23 50.84,105.23 50.71,105.35 50.71,106.5 50.59,106.62 50.59,108.28
VCC1V8_FSPI_S0 on BOTTOM: 51.98,108.78 50.97,107.77 50.97,107.26 51.6,106.62 51.86,106.62 52.75,107.51 52.75,108.02
VCC1V8_UFS_VCCQ2_S0 on BOTTOM: 113.2,65.86 112.05,65.86 110.91,64.71 110.91,63.19 111.04,63.06 112.94,63.06 113.32,63.44 113.32,65.73
VCC1V8_UFS_VCCQ2_S0 on BOTTOM: 105.7,69.03 105.85,69.18 106.23,69.18 106.28,69.16 106.33,69.15 106.38,69.14 106.38,69.05 106.78,68.64 107.19,69.05 107.19,69.14 107.23,69.14 107.29,69.16 107.35,69.18 107.71,69.18 107.99,68.91 107.99,68.86 107.98,68.85 107.94,68.76 107.93,68.66 107.94,68.55 107.99,68.46 107.99,68.27 107.74,68.02 105.96,68.02 105.7,68.27
VCC1V8_UFS_VCCQ2_S0 on BOTTOM: 109.56,67.76 109.51,67.81 109.51,68.52 110.28,68.52 110.53,68.78 113.32,68.78 113.45,68.65 113.45,68.01 113.34,67.91 112.85,67.91 112.81,67.9 112.77,67.89 112.44,67.89 112.32,67.78 112.31,67.77 112.22,67.74 112.15,67.68 112.14,67.67 112.08,67.6 112.05,67.51 112.04,67.5 111.93,67.38 110.91,67.38 110.73,67.56 110.73,67.59 110.49,67.84 110.47,67.85 110.38,67.88 110.28,67.9 110.18,67.88 110.08,67.84 109.94,67.84 109.86,67.76
VCC1V8_UFS_VCCQ2_S0 on L3-POWER: 108.12,70.05 108.88,70.05 109.26,69.67 109.26,69.54 110.02,68.78 113.2,68.78 113.45,68.52 113.45,64.84 113.32,64.71 112.44,64.71 110.66,66.49 110.66,67.76 110.53,67.89 106.72,67.89 106.59,68.02 106.59,68.4 107.23,69.03 107.23,69.16